# Altium PCB Node_v2.PcbDoc
Units mil, origin at the board's own origin, x right, y up, seen from the top; angles counter-clockwise.
Board outline 3295 x 3000.79 mil, 2 copper layers (Top Layer, Bottom Layer); 140 components, 95 nets, 430 pads, 129 vias.
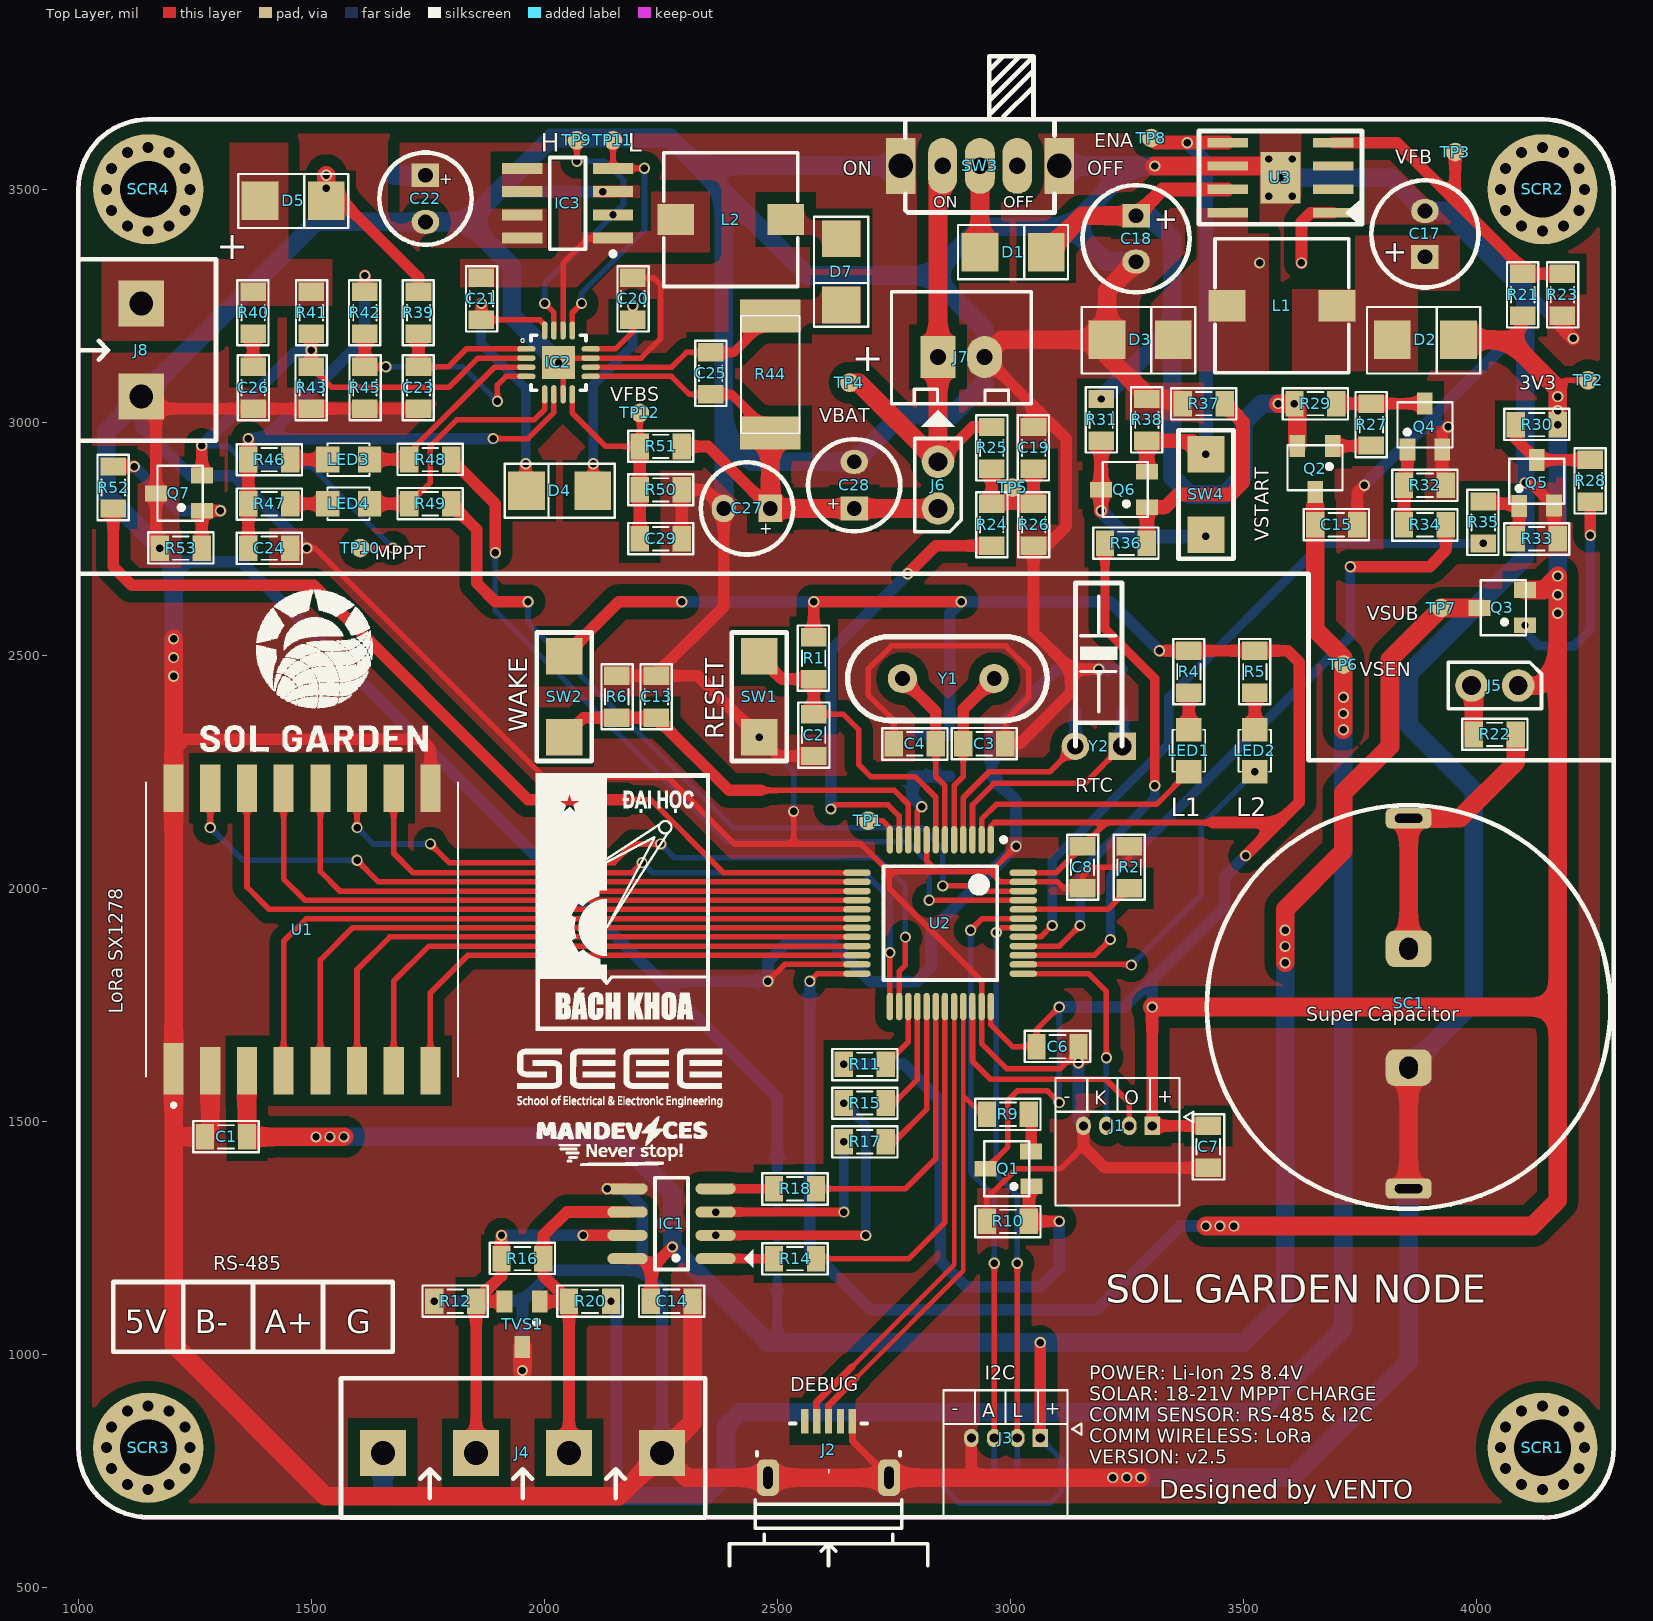
[diagram p0: Top Layer view]
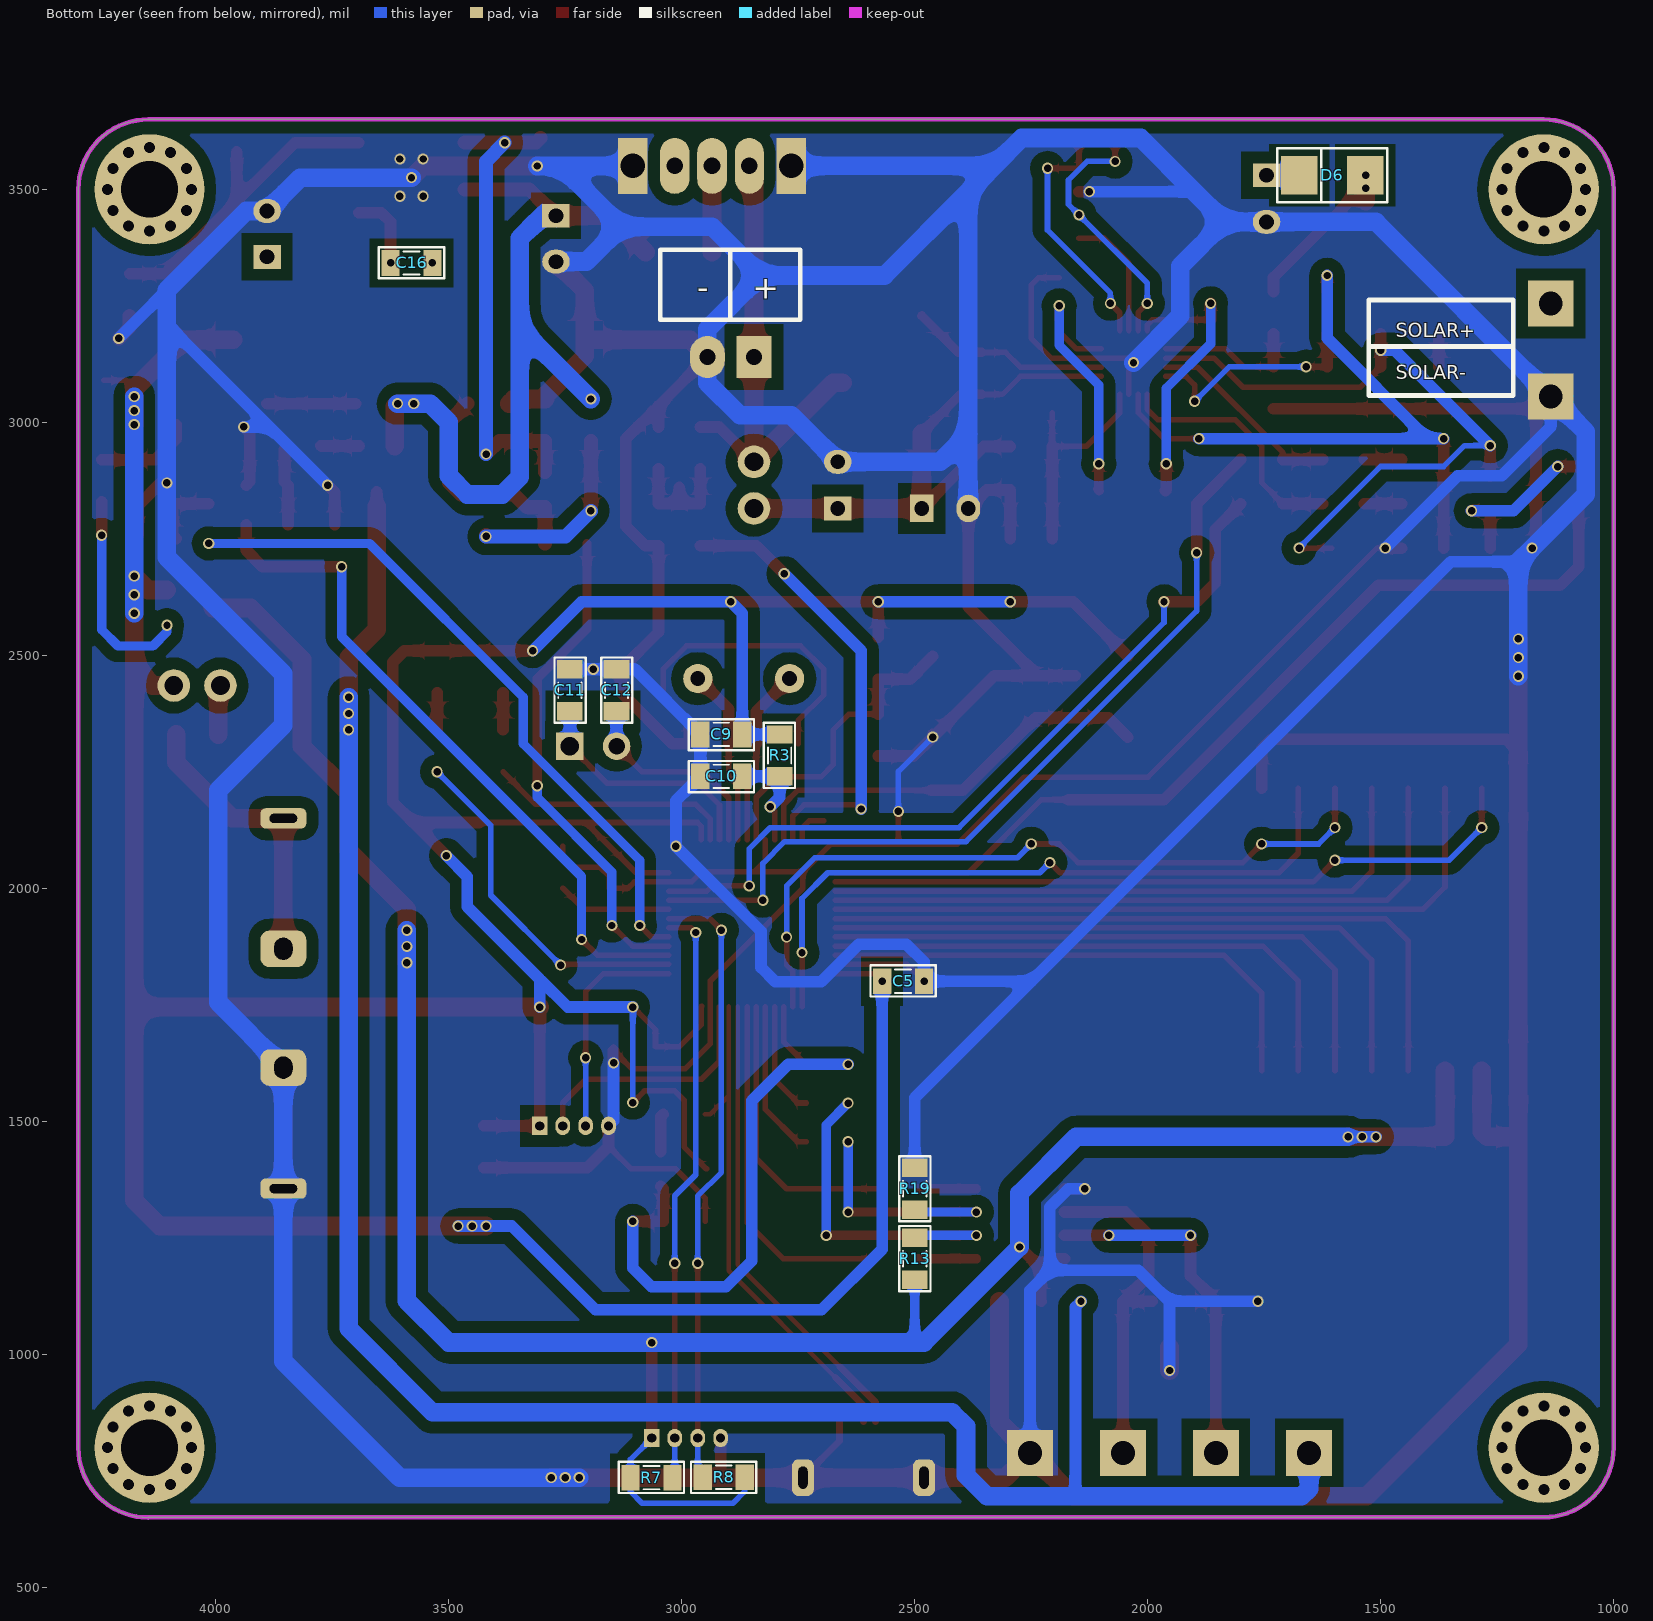
[diagram p1: Bottom Layer view, seen from below]
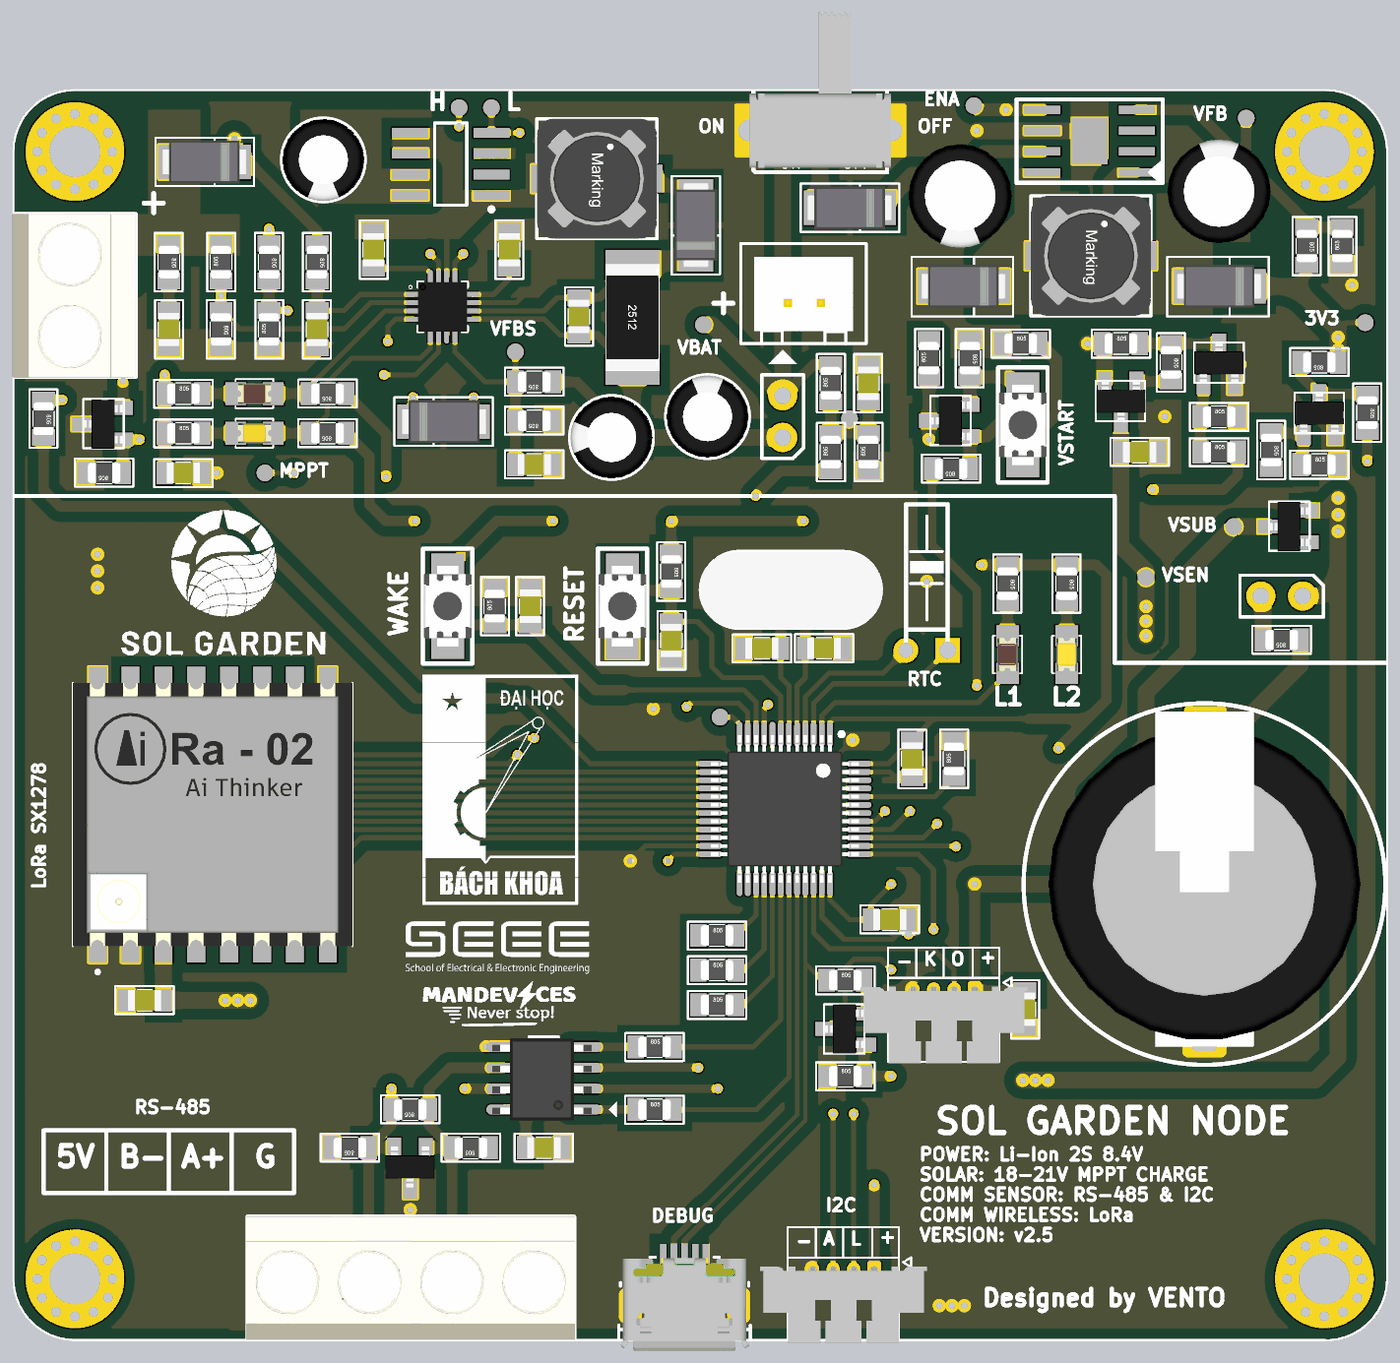
[diagram p2: 3D render of the assembled board from above, using the file's embedded part models]
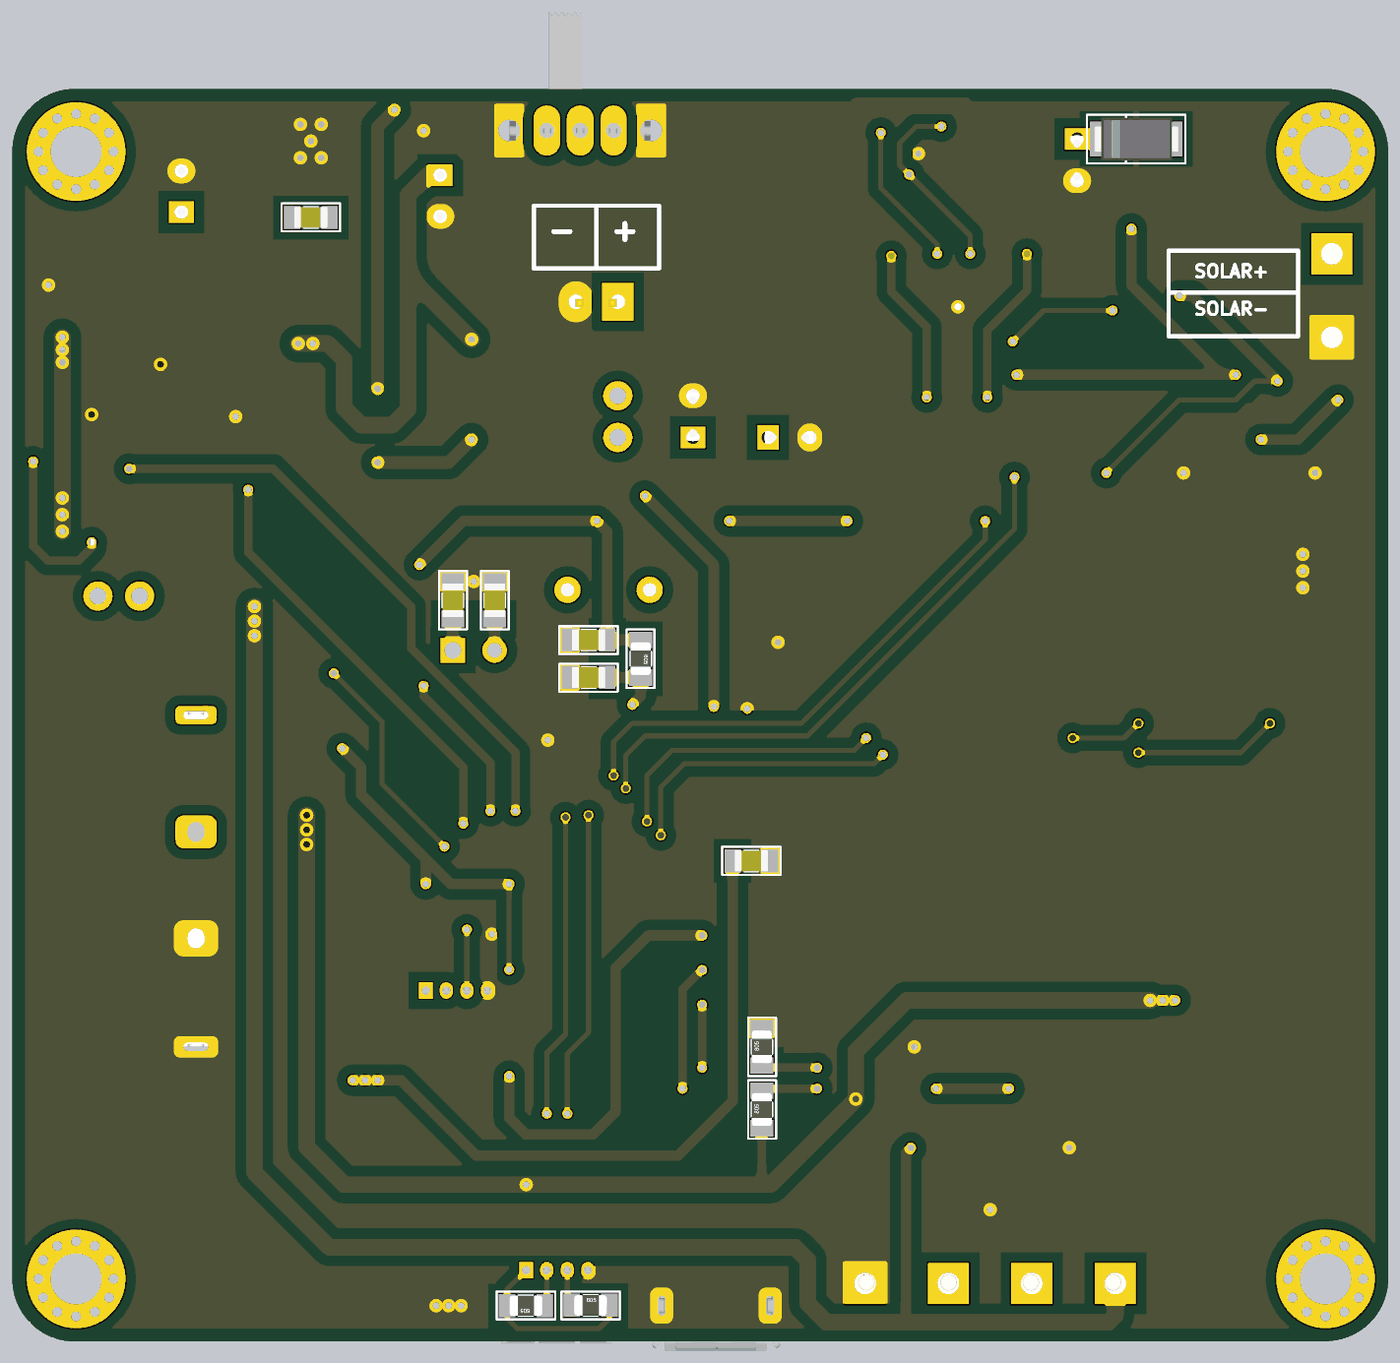
[diagram p3: 3D render of the assembled board from below, using the file's embedded part models]

## Layer stack, top to bottom
Top Solder: solder mask 0.4, Solder Resist, Dk 3.5
Top Layer: signal copper 1.4
Dielectric 1: dielectric 12.6, FR-4, Dk 4.8
Bottom Layer: signal copper 1.4
Bottom Solder: solder mask 0.4, Solder Resist, Dk 3.5

## Board outline
1000,800 1000,3500 cw(c1150,3500) 1150,3650 4145,3650 cw(c4145,3500) 4295,3500 4295,799.21 cw(c4145,799.21) 4145,649.21 4144.21,650 1150,650 cw(c1150,800)

## Design rules (kind name [scope] priority, off if disabled: settings)
Clearance [All] p1: gap=25 ignorepadtopadclearanceinfootprint=TRUE except(0: Arc-Text Arc-Hole Track-Text Track-Hole SMDPad-Text SMDPad-Hole THPad-Text THPad-Hole Via-Text Via-Hole Fill-Text Fill-Hole Poly-Text Poly-Hole Region-Text Region-Hole Text-Text Text-Hole; 6: Arc-Arc Arc-Track Arc-SMDPad Track-Track Track-SMDPad SMDPad-SMDPad; 10: Arc-THPad Arc-Via Track-THPad Track-Via SMDPad-THPad SMDPad-Via THPad-THPad THPad-Via Via-Via)
DiffPairsRouting [All] p1: maxlimit=20 minlimit=8 mostfreqgap=8 toplayer_minwidth=8 toplayer_maxwidth=15 toplayer_prefwidth=8 bottomlayer_minwidth=8 bottomlayer_maxwidth=15 bottomlayer_prefwidth=8 maxuncoupledlength=500
PolygonConnect [All] p1: connectstyle=Direct reliefconductorwidth=15 reliefentries=4 polygonreliefangle="90 Angle" airgapwidth=10
RoutingVias [All] p1: holewidth=16 width=24 viastyle="Through Hole" minholewidth=16 minwidth=24 maxholewidth=16 maxwidth=24
SolderMaskExpansion [All] p1: expansion=4
Width [All] p1: maxlimit=40 minlimit=12 preferedwidth=25
29 further rules are at their usual default settings.

## Classes and differential pairs
component class Main: SCR1 SCR2 SCR3 SCR4
component class U_Power: C16 C17 C18 C19 D1 D2 D3 J5 J6 J7 L1 Q2 Q3 Q4 Q5 Q6 R21 R22 R23 R24 R25 R26 R27 R28 R29 R30 R31 R32 R33 R34 R35 R37 R38 R39 SC1 SW3 SW4 TP3 TP4 TP5 TP6 TP7 TP8 U3
component class 03: C20 C21 C22 C23 C24 C25 C26 C27 C28 C29 D4 D5 D6 D7 IC2 IC3 J8 L2 LED3 LED4 Q7 R39 R40 R41 R42 R43 R44 R45 R46 R47 R48 R49 R50 R51 R52 R53 TP9 TP10 TP11 TP12
component class 04: C14 C15 IC1 J4 R12 R14 R16 R17 R18 R20 R22 R23 R24 TVS1
component class 02: C1 U1
component class 01: C2 C3 C4 C5 C6 C7 C8 C9 C10 C11 C12 C13 J1 J2 J3 LED1 LED2 Q1 R1 R2 R3 R4 R5 R6 R7 R8 R9 R10 R11 SW1 SW2 TP1 U2 Y1 Y2
differential pair USB: +USB_P -USB_N

## Components (designator, comment, footprint, x,y, rotation, side; value= is the part's Value field where it differs from the comment)
C1 "100nF" CAP_0805 1316.89,1466.42 r180 top value=33p
C2 "100nF" CAP_0805 2578.11,2328.72 r90 top value=33p
C3 "22pF" CAP_0805 2944.21,2310 r180 top value=33p
C4 "22pF" CAP_0805 2795.16,2310 r0 top value=33p
C5 "100nF" CAP_0805 2525,1800.47 r0 bottom value=33p
C6 "100nF" CAP_0805 3101.42,1660 r180 top value=33p
C7 "100nF" CAP_0805 3425,1445 r90 top value=33p
C8 "100nF" CAP_0805 3155,2045 r90 top value=33p
C9 "1uF" CAP_0805 2915,2330 r180 bottom value=33p
C10 "10nF" CAP_0805 2915,2240 r180 bottom value=33p
C11 "10pF" CAP_0805 3240,2425 r90 bottom value=33p
C12 "10pF" CAP_0805 3140,2425 r90 bottom value=33p
C13 "100nF" CAP_0805 2240.58,2410.92 r270 top value=33p
C14 "10uF" CAP_0805 2273.11,1113.43 r180 top value=33p
C15 "10uF" CAP_0805 3699.8,2780 r180 top value=33p
C16 "10nF" CAP_0805 3580,3341.89 r0 bottom value=33p
C17 "220uF/16V" C8mm 3890,3404.21 r90 top
C18 "220uF/16V" C8mm 3270,3394 r270 top
C19 "100nF" CAP_0805 3050,2945 r270 top value=33p
C20 "1uF" CAP_0805 2190,3265 r90 top value=33p
C21 "100nF" CAP_0805 1865,3265 r90 top value=33p
C22 "220uF/25V" C5mm 1745,3480 r270 top
C23 "100nF" CAP_0805 1730.01,3074.01 r270 top value=33p
C24 "100nF" CAP_0805 1410,2730 r0 top value=33p
C25 "100nF" CAP_0805 2356.89,3105 r90 top value=33p
C26 "2.2uF" CAP_0805 1375,3074.01 r90 top value=33p
C27 "10uF/16V" C5mm 2435,2815 r180 top
C28 "4.7uF/16V" C5mm 2665,2865 r90 top
C29 "100nF" CAP_0805 2250,2750 r180 top value=33p
D1 "1N5822" DIO-214AC(SMA) 3009,3363.25 r180 top value="Diode c?m 1N5408"
D2 "SS34" DO-214AC(SMA) 3869,3174.12 r180 top
D3 "SS34" DO-214AC(SMA) 3256.8,3174.12 r180 top
D4 "1N5822" DIO-214AC(SMA) 2030,2855 r0 top value="Diode c?m 1N5408"
D5 "1N5822" DIO-214AC(SMA) 1464,3473 r180 top value="Diode c?m 1N5408"
D6 "1N5822" DIO-214AC(SMA) 1606.8,3532 r180 bottom value="Diode c?m 1N5408"
D7 "1N5822" DIO-214AC(SMA) 2635,3320 r90 top value="Diode c?m 1N5408"
IC1 "MAX3485" SO-8 2273.11,1280 r180 top
IC2 "BQ24650" VQFN-16 1840.47,3128 r0 top
IC3 "AO4914" SOIC-8 2050,3470 r180 top
J1 "ST_Link" HEADER4P-1.25 3228.29,1490 r180 top
J2 "USB-5" USB-M4 2610,735 r0 top
J3 "ST_Link" HEADER4P-1.25 2987.79,820 r180 top
J4 "KF4" KF4-5.08 1653.61,788.21 r0 top
J5 "JP2" JP2-CLOSED 4090,2435 r270 top
J6 "JP2" JP2-CLOSED 2845,2815 r180 top
J7 "JP2" CON2 2845,3140 r0 top
J8 "KF2" KF2-5.08 1135,3155 r90 top
L1 "22uH" L-SMD-M-7.3x4.5 3583.11,3250 r90 top value="150 mH"
L2 "10uH" L-SMD-M-7.3x4.5 2400,3435 r90 top value="150 mH"
LED1 "LED" LED-0805-Red 3383.49,2340 r270 top value="LED 3 ly Single Colour"
LED2 "LED" LED-0805-Yellow 3525,2340 r270 top value="LED 3 ly Single Colour"
LED3 "LED" LED-0805-Red 1535,2920 r0 top value="LED 3 ly Single Colour"
LED4 "LED" LED-0805-Orange 1535,2825 r0 top value="LED 3 ly Single Colour"
Q1 "2SC1815" SOT23D 2996,1398 r90 top value=C1815
Q2 "AO3401" SOT23A 3655,2900 r180 top
Q3 "AO3401" SOT23A 4055.79,2601.2 r90 top
Q4 "2SC1815" SOT23D 3890,2990.79 r0 top value=C1815
Q5 "2SC1815" SOT23D 4130,2870 r0 top value=C1815
Q6 "AO3400" SOT23A 3244.21,2854.8 r90 top
Q7 "AO3400" SOT23A 1216,2847 r90 top
R1 "10k" RES-SMD-0805 2578.11,2493.72 r270 top
R2 "100k" RES-SMD-0805 3255,2045 r90 top
R3 "10R" RES-SMD-0805 2790,2285 r270 bottom
R4 "1k" RES-SMD-0805 3383.49,2464.79 r270 top
R5 "1k" RES-SMD-0805 3525,2464.79 r270 top
R6 "10k" RES-SMD-0805 2155.58,2410.92 r90 top
R7 "10k" RES-SMD-0805 3065,735 r0 bottom
R8 "10k" RES-SMD-0805 2910,736 r180 bottom
R9 "1k5" RES-SMD-0805 2995,1515 r0 top
R10 "10k" RES-SMD-0805 2995,1285 r0 top
R11 "1k" RES-SMD-0805 2688,1622 r0 top
R12 "4k7" RES-SMD-0805 1808.61,1113.43 r180 top
R13 "47k" RES-SMD-0805 2500,1205 r90 bottom
R14 "1k" RES-SMD-0805 2538.11,1205 r0 top
R15 "1k" RES-SMD-0805 2688,1539 r0 top
R16 "120" RES-SMD-0805 1953.11,1205 r180 top
R17 "1k" RES-SMD-0805 2688,1456 r0 top
R18 "1k" RES-SMD-0805 2538.11,1355 r0 top
R19 "47k" RES-SMD-0805 2500,1355 r90 bottom
R20 "4k7" RES-SMD-0805 2098.11,1113.21 r180 top
R21 "100k" RES-SMD-0805 4100,3273.54 r270 top
R22 "200R" RES-SMD-0805 4040,2330 r180 top
R23 "56k" RES-SMD-0805 4185,3273.54 r90 top
R24 "0R" RES-SMD-0805 2960,2780 r90 top
R25 "2.7M" RES-SMD-0805 2960,2945 r90 top
R26 "1.5M" RES-SMD-0805 3050,2780 r90 top
R27 "1k" RES-SMD-0805 3775,2995 r270 top
R28 "1k" RES-SMD-0805 4245,2874.21 r270 top
R29 "100k" RES-SMD-0805 3655,3040 r0 top
R30 "100k" RES-SMD-0805 4130,2995 r180 top
R31 "75k" RES-SMD-0805 3195,3005 r90 top
R32 "100k" RES-SMD-0805 3890,2865 r0 top
R33 "100k" RES-SMD-0805 4130,2750 r0 top
R34 "1k" RES-SMD-0805 3890,2780 r0 top
R35 "1k" RES-SMD-0805 4015,2785 r270 top
R36 "4.7k" RES-SMD-0805 3248.21,2740 r180 top
R37 "47k" RES-SMD-0805 3415,3040 r0 top
R38 "47k" RES-SMD-0805 3293.21,3005 r270 top
R39 "10R" RES-SMD-0805 1730,3235 r270 top
R40 "2R" RES-SMD-0805 1375,3235 r270 top
R41 "120k" RES-SMD-0805 1500,3235 r90 top
R42 "10k" RES-SMD-0805 1615,3235 r270 top
R43 "15k" RES-SMD-0805 1500,3074.01 r270 top
R44 "0R02" RES-SMD-2512 2480,3102.56 r270 top
R45 "10k" RES-SMD-0805 1615,3074.01 r90 top
R46 "1k5" RES-SMD-0805 1410,2920 r0 top
R47 "1k5" RES-SMD-0805 1410,2825 r0 top
R48 "0R" RES-SMD-0805 1755,2920 r180 top
R49 "0R" RES-SMD-0805 1755,2825 r180 top
R50 "10k" RES-SMD-0805 2250,2854.8 r180 top
R51 "30k" RES-SMD-0805 2250,2948.13 r180 top
R52 "100R" RES-SMD-0805 1075,2860 r270 top
R53 "100k" RES-SMD-0805 1220,2730 r180 top
SC1 "Super Capacitor" SUPERCAPHC 3855,1745 r0 top
SCR1 "Screw 3mm" SCREW 4142.13,799.21 r0 top
SCR2 "Screw 3mm" SCREW 4142.13,3500 r0 top
SCR3 "Screw 3mm" SCREW 1150,799.21 r0 top
SCR4 "Screw 3mm" SCREW 1150,3500 r0 top
SW1 "SW" "SW 3x2x4" 2461.22,2410.92 r90 top value="SW chip 2 pin"
SW2 "SW" "SW 3x2x4" 2042.53,2410.92 r90 top value="SW chip 2 pin"
SW3 "SW" SW102_SIDE 2855,3550.34 r0 top value="SW chip 2 pin"
SW4 "SW" "SW 3x2x4" 3420,2845 r270 top value="SW chip 2 pin"
TP1 "Test Point" TP_SMD 2695,2145 r90 top
TP2 "Test Point" TP_SMD 4240,3090 r90 top
TP3 "Test Point" TP_SMD 3955,3580 r180 top
TP4 "Test Point" TP_SMD 2655,3085 r90 top
TP5 "Test Point" TP_SMD 3005,2860 r90 top
TP6 "Test Point" TP_SMD 3715,2480 r90 top
TP7 "Test Point" TP_SMD 3925,2601.4 r90 top
TP8 "Test Point" TP_SMD 3302.8,3610 r90 top
TP9 "Test Point" TP_SMD 2070,3605 r90 top
TP10 "Test Point" TP_SMD 1605,2730 r90 top
TP11 "Test Point" TP_SMD 2147.44,3605 r90 top
TP12 "Test Point" TP_SMD 2205,3020 r90 top
TVS1 "SM712" SOT23 1953.31,1064.21 r180 top value=1N4148
U1 "LoRa_02" Ra-02 1480,1911.42 r90 top
U2 "STM32" "LQFP 48" 2850,1925 r270 top
U3 "TPS5430" TPS5430-2 3580,3525 r180 top
Y1 "8MHz" XTAL 2865,2450 r180 top
Y2 "32.768KHz" XTAL32K 3240,2305 r180 top

## Footprints (in the part's own frame and the unit in brackets; to place one, negate y for a bottom-side part, rotate by r counter-clockwise, add the part's x,y. Pads: shape width x height; smd on the part's side, far side on the other; paste and mask are expansions set on the pad)
C5mm [mm]
  rect 1.3x1.5 hole 0.8: 1(-1.27,0)
  oval 1.3x1.5 hole 0.8: 2(1.27,0)
  silkscreen extent -2.51,-2.51 2.51,2.51, body extent -2.5,-2.5 2.49,2.5, height 11.01
C8mm [mm]
  rect 1.3x1.5 hole 0.8: 1(-1.25,0)
  oval 1.3x1.5 hole 0.8: 2(1.25,0)
  silkscreen extent -2.92,-2.92 2.92,2.92, body extent -3.15,-3.15 3.16,3.15, height 11.51
CAP_0805 [mil]
  rect 39.37x55 smd: 1(-45,0) 2(45,0)
  silkscreen extent -70,-34 70,33, body extent -40,-25 40,25, height 24
CON2 [mil] "CON2"
  rect 75x90 hole 34: 1(0,0)
  oval 75x90 hole 34: 2(100,0)
  silkscreen extent -100,-150 200,140, body extent -68,-70 168,107, height 236
DIO-214AC(SMA) [mm] "DO-214AC Diode Smallest Size"
  rect 2x2.1 smd: 1(1.88,-0.051) 2(-1.732,-0.051)
  silkscreen extent -2.92,-1.52 3.07,1.42, body extent -2.5,-1.35 2.7,1.25, height 2.4
DO-214AC(SMA) [mm] "DO-214AC Diode Smallest Size"
  rect 2x2.1 smd: 1(1.245,-0.076) 2(-2.367,-0.076)
  silkscreen extent -3.56,-1.86 2.62,1.76, body extent -3.13,-1.38 2.07,1.22, height 2.4
HEADER4P-1.25 [mm]
  rect 0.85x1 hole 0.5 mask+0.076: 1(-1.941,0)
  oval 0.8x1 hole 0.5 mask+0.076: 2(-0.691,0) 3(0.559,0) 4(1.809,0)
  silkscreen extent -4.19,-0.78 3.33,4.34, body extent -5.15,-0.23 5,4.42, height 3.8
JP2-CLOSED [mil]
  round 70 hole 40: 1(0,0) 2(0,-100)
  silkscreen extent -50,-150 50,50, body extent -50,-152 50,50, height 300
KF2-5.08 [mm]
  rect 2.5x2.5 hole 1.3: 1(-2.54,0) 2(2.54,0)
  silkscreen extent -4.95,-4.08 4.95,3.43, body extent -5,-4.07 5,3.43, height 10
KF4-5.08 [mm]
  rect 2.5x2.5 hole 1.3: 1(0,0) 2(5.08,0) 3(10.147,0) 4(15.215,0)
  silkscreen extent -2.29,-3.53 17.58,4.06, body extent -2.36,-3.43 17.64,4.07, height 10
L-SMD-M-7.3x4.5 [mm] "WE-PDA SMD Shielded Power Inductor, 7345"
  rect 1.7x2 smd: 1(0,3) 2(0,-3)
  silkscreen extent -3.65,-3.65 3.65,3.65, body extent -3.65,-3.65 3.65,3.65, height 4.05
LED-0805-Orange [mil]
  rect 50x55 smd: 1(0,0) 2(90,0)
  silkscreen extent 0,-35 90,35, body extent 5,-25 85,25, height 43
LED-0805-Red [mil]
  rect 50x55 smd: 1(0,0) 2(90,0)
  silkscreen extent 0,-35 90,35, body extent 5,-25 85,25, height 43
LED-0805-Yellow [mil]
  rect 50x55 smd: 1(0,0) 2(90,0)
  silkscreen extent 0,-35 90,35, body extent 5,-25 85,25, height 43
"LQFP 48" [mm] "LQFP, 48-Leads, Body 7,00x7,00mm, Pitch 0,50mm, IPC Medium Density"
  oval 1.5x0.35 smd: 1(-4.547,2.75) 2(-4.547,2.25) 3(-4.547,1.75) 4(-4.547,1.25) 5(-4.547,0.75) 6(-4.547,0.25) 7(-4.547,-0.25) 8(-4.547,-0.75) 9(-4.547,-1.25) 10(-4.547,-1.75) 11(-4.547,-2.25) 12(-4.547,-2.75) 25(4.547,-2.75) 26(4.547,-2.25) 27(4.547,-1.75) 28(4.547,-1.25) 29(4.547,-0.75) 30(4.547,-0.25) 31(4.547,0.25) 32(4.547,0.75) 33(4.547,1.25) 34(4.547,1.75) 35(4.547,2.25) 36(4.547,2.75)
  oval 0.35x1.5 smd: 13(-2.75,-4.547) 14(-2.25,-4.547) 15(-1.75,-4.547) 16(-1.25,-4.547) 17(-0.75,-4.547) 18(-0.25,-4.547) 19(0.25,-4.547) 20(0.75,-4.547) 21(1.25,-4.547) 22(1.75,-4.547) 23(2.25,-4.547) 24(2.75,-4.547) 37(2.75,4.521) 38(2.25,4.521) 39(1.75,4.521) 40(1.25,4.521) 41(0.75,4.521) 42(0.25,4.521) 43(-0.25,4.521) 44(-0.75,4.521) 45(-1.25,4.521) 46(-1.75,4.521) 47(-2.25,4.521) 48(-2.75,4.521)